# KiCad board model-b.kicad_pcb (continued)
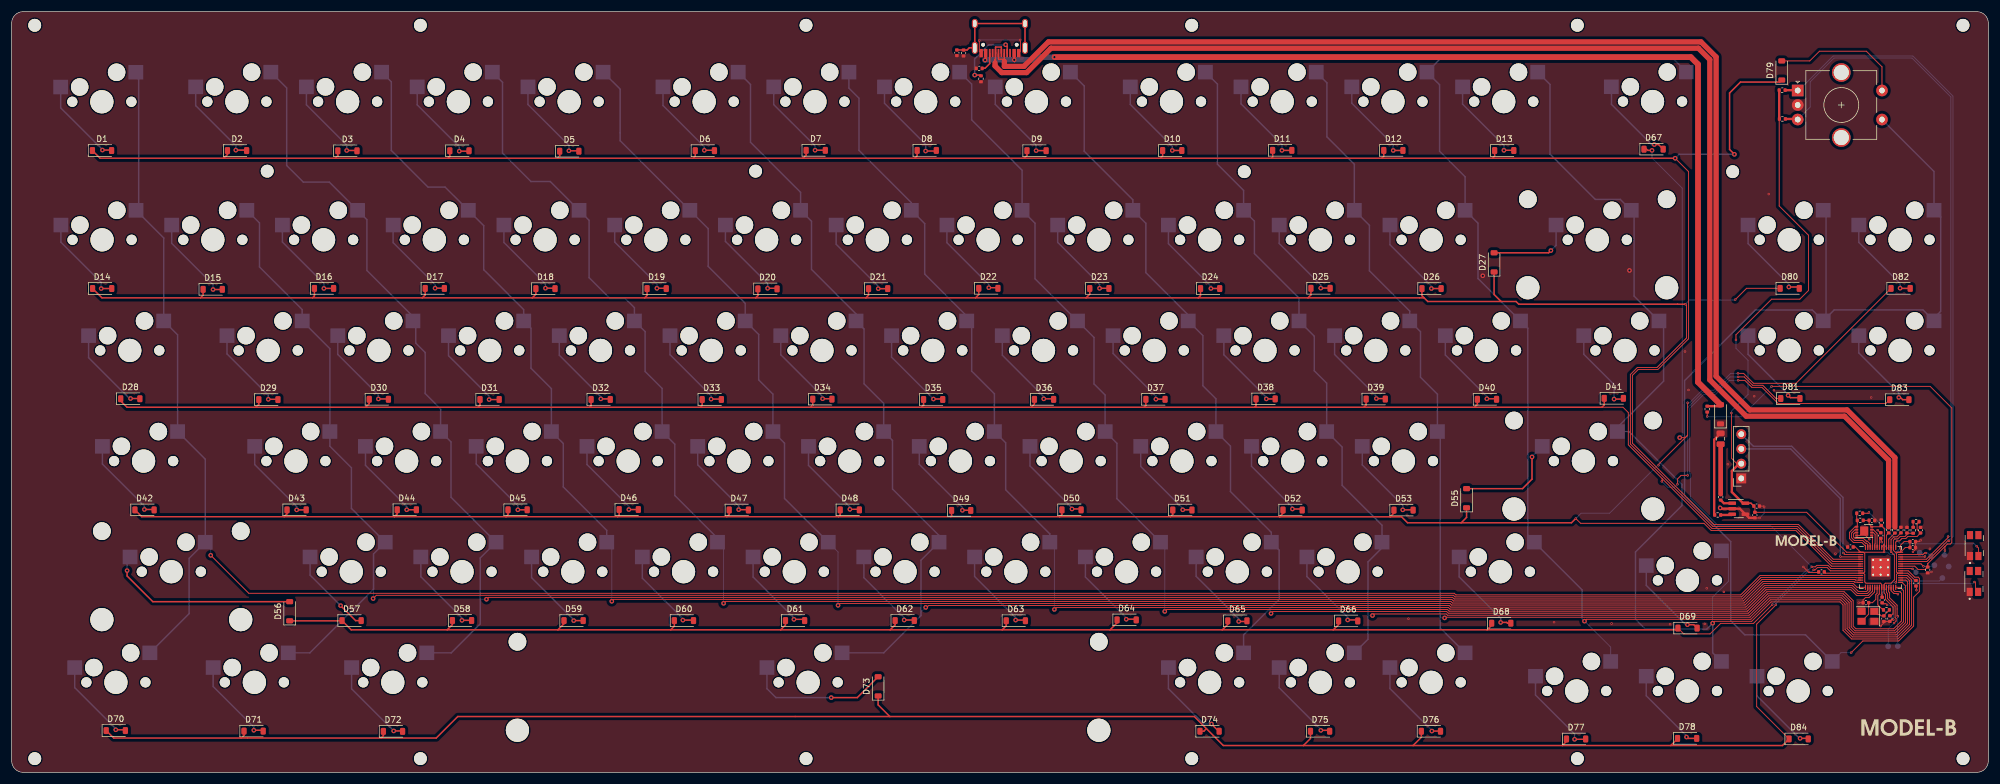
[diagram p0: board, top side]
## Nets (continued)
Net-(D71-A): D71.2 SW71.1
Net-(D72-A): D72.2 SW72.1
Net-(D73-A): D73.2 SW73.1
Net-(D74-A): D74.2 SW74.1
Net-(D75-A): D75.2 SW75.1
Net-(D76-A): D76.2 SW76.1
Net-(D77-A): D77.2 SW77.1
Net-(D78-A): D78.2 SW78.1
Net-(D80-A): D80.2 SW80.1
Net-(D81-A): D81.2 SW81.1
Net-(D82-A): D82.2 SW82.1
Net-(D83-A): D83.2 SW83.1
Net-(D84-A): D84.2 SW84.1
Net-(F1-Pad2): F1.2 FB1.2
Net-(U2-IN): FB1.1 U2.1
Net-(U3-ADC_AVDD): C11.1 R14.2 U3.43
Net-(U3-GPIO23): TP1.1 U3.35
Net-(U3-GPIO25): TP2.1 U3.37
Net-(U3-GPIO28_ADC2): TP3.1 U3.40
Net-(U3-GPIO29_ADC3): TP4.1 U3.41
Net-(U3-SWCLK): TP5.1 U3.24
Net-(U3-SWD): TP6.1 U3.25
Net-(U3-USB_DM): R16.1 U3.46
Net-(U3-USB_DP): R15.1 U3.47
Net-(USB1-CC1): R9.1 USB1.4
Net-(USB1-CC2): R10.1 USB1.10
Net-(USB1-SHIELD): C4.1 R6.2 USB1.13

Pads without a net: ROTARY1 MP; S1 1_2 2_2; S2 1_2 2_2; USB1 3 9

## Via types
v1: diameter 0.4, hole 0.2, Top to Bottom, 72 vias
v2: diameter 0.8, hole 0.4, Top to Bottom, 108 vias

## Routing (per net, layer and track width the routed paths; a pad name or vN(x,y) marks a point on that pad's centre or on a via; arc(x,y) is an arc through that point)
3V3_EN: length 2
  Top w0.4: R11.2 295.81,44.33 U2.3
+1V1: length 22.2
  Top w0.15: C7.1 324.28,40.56 323.76,40.56 323.26,40.06 U3.45 323.27,38.74 v1(323.27,37.99) 323.84,37.41 323.84,33.15 323.27,32.58 322.28,32.58 322.06,32.37 U3.23 322.06,30.9 322.31,30.65 322.31,29.78 323.6,28.49 323.6,27.31 323.32,27.03 323.12,27.03 C8.1 ; U3.50 321.26,39.86 321.53,40.13 321.64,40.02 v1(321.64,39.65)
  Bottom w0.15: v1(321.64,39.65) 321.64,39.61 v1(323.27,37.99)
+3V3: length 182.2
  Top w0.15: 318.52,34.31 U3.10 311.99,34.31 C18.1 ; 318.52,34.31 318.74,34.09 318.74,32.8 318.95,32.58 321.45,32.58 321.66,32.37 U3.22 321.66,30.62 v1(321.69,30.59) 321.69,30.19 C10.1 ; 318.52,34.31 318.74,34.52 318.74,37.69 318.52,37.91 318.02,37.91 ; 318.02,37.91 321.99,37.91 v1(322.06,37.98) 322.06,38.31 322.06,38.31 U3.48 322.06,39.24 322.11,39.29 ; 318.02,37.91 315.61,37.91 308.73,44.79 C5.1 299.84,45.68 C6.1 ; 318.02,37.91 317.12,38.81 C14.1 ; C16.1 327.39,33.05 326.13,34.31 U3.33 324.4,34.31 ; R13.1 326.04,41.18 C17.1 326,40.96 325.66,40.63 324.85,40.63 324.42,40.21 323.9,40.21 323.66,39.97 U3.44 323.66,38.25 324,37.91 324.9,37.91 ; 322.11,39.29 322.11,41.95 321.58,42.48 C15.1 321.36,42.3 U1.8 319.48,42.74 C1.2 319.48,43.4 R4.2 ; 322.11,39.29 321.66,38.84 U3.49 ; 324.4,34.31 324.19,34.52 324.19,37.69 324.4,37.91 324.9,37.91 ; 324.4,34.31 324.19,34.09 324.19,32.83 v1(324.06,32.71) ; v1(296.58,74.47) 296.58,75.35 302.72,81.49 307.57,81.49 309.05,82.97 309.05,92.5 304.02,97.53 304.02,112.86 ; 324.9,37.91 325.71,38.72 C13.1 326.51,39.74 C12.1 325.52,39.74 324.9,39.12 324.9,37.91 ; v1(295.81,61.88) 295.81,54.09 296.74,53.16 OLED1.2
  Top w0.25: U2.5 299.16,46.35 C6.1
  Top w0.4: U2.5 297.8,46.35 295.88,48.27 295.88,51.91 297.14,53.16 OLED1.2 ; R2.2 304.02,112.56 R1.2
  Bottom w0.15: v1(322.06,37.98) 322.15,37.89 322.69,37.89 323.07,37.51 323.74,37.51 v1(324.88,38.65) ; v1(321.69,30.59) 321.69,30.94 323.46,32.71 v1(324.06,32.71) 324.44,32.71 324.69,32.96 331.58,32.96 TP9.1 ; v1(296.58,74.47) 296.58,73.03 298.66,70.96 298.66,65.07 295.81,62.21 v1(295.81,61.88)
GND: length 45
  Top w0.15: v1(308.17,35.38) 309.15,34.4 310.7,34.4 C18.2 ; v1(327.03,37.98) 327.47,38.43 C13.2 327.47,39.74 C12.2 328.13,39.74 v1(328.37,39.98) ; v1(322.57,28.85) 322.37,29.05 321.94,29.05 ; v1(166.42,126.03) 166.44,126.01 166.44,124.17 USB1.12 ; v1(173.47,126.13) 173.52,126.07 173.52,124.17 USB1.1 ; 321.53,41.09 321.53,41.15 v1(320.95,41.72) ; v1(319.52,40.16) 318.64,41.03 U1.9 317.89,40.8 U1.4 ; v1(301.44,45.72) 301.31,45.86 C6.2 ; v1(317.7,29.22) C2.1 318.45,29.7 318.86,30.11 319.48,30.11 320.44,31.06 320.44,31.86 320.44,31.87 U3.19 ; v1(327.62,31.38) 327.62,32.01 C16.2 ; v1(323.65,26.3) 323.35,26.3 323.04,25.99 C3.2 322.02,25.75 v1(321.47,25.2) ; v1(300.66,43.81) 299.86,43.81 C5.2
  Top w0.4: v2(293.87,45.54) 294,45.4 U2.2 297.26,45.4 U2.4 298.83,43.83 C5.2
  Bottom w0.15: 173.53,126.07 v1(173.47,126.13) 166.51,126.13 v1(166.42,126.03) ; v1(301.44,45.72) 301.44,44.59 v1(300.66,43.81) ; v1(322.57,28.85) 322.65,28.77 323.21,28.77 323.65,28.33 v1(323.65,26.3) 323.71,26.35
  vias: v1(240.26,26.46) v1(265.3,25.87) v1(275.19,25.63) v1(285.25,25.53) v1(287.82,72.46) v1(288.43,65.85) v1(291.22,25.57) v1(291.55,31.7) v1(294.5,31.08) v1(295.19,53.06) v1(299.73,64.78) v1(302.22,99.58) v1(303.11,65.81) v1(313.69,37.66) v1(319.84,64.56) v1(329.94,38.51) v1(330.21,34.51) v2(253.04,85.52) v2(278.27,86.43)
VBUS: length 188.6
  Top w0.4: USB1.11 167.53,122.66 ; 294.11,63.14 D54.2 293.68,63.07 R8.2 ; 172.47,123.99 172.45,124.01 ; v2(172.45,122.7) 172.45,123.83 ; 167.55,122.82 167.55,122.82
  Top w1: v2(179.36,123.16) 288.82,123.16 290.06,121.92 290.06,67.19 D54.2
  Bottom w0.4: 172.43,122.82 172.47,122.86 ; v2(167.44,122.66) 167.44,122.66
  Bottom w1: v2(167.44,122.66) 167.47,122.7 v2(172.45,122.7) 175.97,122.7 176.44,123.16 v2(179.36,123.16)
/ADC_VREF: length 1
  Top w0.15: R14.1 327.07,43.16 R13.2
/col0: length 399.9
  Top w0.15: U3.11 300.75,33.91 297.4,30.56 248.41,30.56 248.13,30.84 40.79,30.84 v2(34.24,37.39)
  Bottom w0.15: SW56.2 34.24,38.7 v2(34.24,37.39)
  Bottom w0.25: SW70.2 30.53,27.34 30.53,36.87 SW56.2 33.31,53.92 SW42.2 28.54,75.36 SW28.2 26.16,92.02 SW14.2 21.85,97.24 21.85,120.07 SW1.2
/col1: length 354.5
  Top w0.15: v2(62.17,29.94) 62.73,30.49 247.99,30.49 248.27,30.21 297.55,30.21 300.89,33.56 317.21,33.56 317.26,33.51 U3.12
  Bottom w0.15: v2(62.17,29.94) 62.25,30.01 62.25,31.64
  Bottom w0.25: SW71.2 51.3,20.59 62.25,31.54 62.25,37.63 SW57.2 58.45,45.45 58.45,52.45 54.74,56.16 SW43.2 54.74,72.98 SW29.2 49.97,79.69 42.63,87.04 42.63,94.6 SW15.2
/col2: length 365.2
  Top w0.15: U3.13 317.17,33.11 317.06,33.21 301.04,33.21 297.69,29.86 248.12,29.86 247.84,30.14 82,30.14 v2(81.67,29.82)
  Bottom w0.15: v2(81.67,29.82) 80.66,29.82 80.6,29.87
  Bottom w0.25: SW72.2 75.62,20.59 80.6,25.56 80.6,36.93 SW58.2 75.57,47.37 75.57,56.9 SW44.2 73.79,62.58 71.13,65.23 71.13,72.3 69.51,73.92 69.51,77.25 SW30.2 69.02,78.51 61.11,86.43 61.11,95.18 SW16.2 54.65,101.64 50.17,101.64 47.31,104.5 47.31,117.86 SW2.2
/col3: length 325.7
  Top w0.15: U3.14 317.53,32.71 317.48,32.76 317.02,32.76 316.92,32.86 301.18,32.86 297.84,29.51 247.98,29.51 247.7,29.79 103.55,29.79 v2(103.23,29.47)
  Bottom w0.15: SW59.2 103.23,38.77 v2(103.23,29.47)
  Bottom w0.25: SW3.2 65.31,118.91 65.31,107.09 71.62,100.78 74.55,100.78 SW17.2 81.21,94.13 81.21,86.55 88.07,79.68 SW31.2 89.33,76.48 89.33,69.59 92.84,66.08 SW45.2 94.88,56.64 94.88,49.15 102.36,41.67 SW59.2
/col4: length 309.7
  Top w0.15: U3.15 317.41,31.87 316.77,32.51 301.33,32.51 297.98,29.16 247.83,29.16 247.55,29.44 122.78,29.44 v2(122.45,29.12)
  Bottom w0.15: v2(122.45,29.12) 122.45,38.59 SW60.2
  Bottom w0.25: SW4.2 84.44,118.83 84.44,106.64 89.33,101.74 92.65,101.74 SW18.2 99.33,95.06 99.33,85.19 102.91,81.6 105.53,81.6 107.12,80.01 SW32.2 108.97,75.9 108.97,69.03 111.89,66.11 SW46.2 114.06,56.51 114.06,47.68 121.41,40.34 SW60.2
/col5: length 288.3
  Top w0.15: v2(142.14,28.77) 142.47,29.09 247.41,29.09 247.69,28.81 298.13,28.81 301.47,32.16 316.63,32.16 317.63,31.16 319.05,31.16 319.26,31.37 U3.16
  Bottom w0.15: v2(142.14,28.77) 142.14,37.96 SW61.2
  Bottom w0.25: SW61.2 132.94,47.16 132.94,56.68 SW47.2 130.94,65.14 128.49,67.59 128.49,75.42 SW33.2 126.17,80.76 119.81,87.12 119.81,93.63 SW19.2 104.67,108.77 104.67,110.11 104.67,110.11 104.67,117.65 SW5.2
/col6: length 292.4
  Top w0.15: U3.17 319.66,31.28 319.19,30.81 317.49,30.81 316.48,31.81 301.62,31.81 298.27,28.46 247.54,28.46 247.26,28.74 157.75,28.74 157.42,28.42 v2(157.23,28.42)
  Bottom w0.15: 156.41,26.99 156.41,27.6 v2(157.23,28.42)
  Bottom w0.25: 124.96,120.58 127.08,118.46 127.08,108.51 135.7,99.89 SW20.2 137.58,94.9 137.58,86.6 145.22,78.96 SW34.2 146.62,76.35 146.62,66.92 149.99,63.55 SW48.2 151.51,57.16 151.51,48.8 159.51,40.8 SW62.2 156.41,36.53 156.41,26.99 150,20.59 SW73.2
/col7: length 250.9
  Top w0.15: U3.18 320.06,31.18 319.34,30.46 317.34,30.46 316.34,31.46 301.76,31.46 298.42,28.11 247.4,28.11 247.12,28.39 179.68,28.39 v2(179.35,28.07)
  Bottom w0.15: SW63.2 179.35,38.85 v2(179.35,28.07)
  Bottom w0.25: SW7.2 144.01,117.83 145.74,116.09 145.74,107.11 154.75,98.1 SW21.2 157.05,94.49 157.05,85.81 164.27,78.58 SW35.2 165.12,76.89 165.12,69.1 169.04,65.19 SW49.2 170.98,56.75 170.98,48.66 178.56,41.08 SW63.2
/col8: length 248.5
  Top w0.15: v2(198.34,27.72) 198.66,28.04 246.97,28.04 247.25,27.76 298.56,27.76 301.91,31.11 315.2,31.11 316.75,29.56 316.75,25.19 317.21,24.73 323.7,24.73 325.04,26.07 325.04,30.87 324.75,31.16 323.88,31.16 323.66,31.37 U3.27
  Bottom w0.15: v2(198.34,27.72) 198.34,38.91 SW64.2
  Bottom w0.25: 163.06,120.58 165.12,118.52 165.12,112.36 173.8,103.68 SW22.2 176.02,94.56 176.02,85 183.29,77.74 SW36.2 186.17,74.89 186.17,66.88 188.09,64.97 SW50.2 190.11,56.67 190.11,47.14 SW64.2
/col9: length 241.4
  Top w0.15: v2(216.62,27.37) 216.94,27.69 246.83,27.69 247.11,27.41 298.71,27.41 302.05,30.76 315.05,30.76 316.4,29.42 316.4,25.05 317.07,24.38 323.84,24.38 325.39,25.93 325.39,31.31 324.83,31.87 U3.28
  Bottom w0.15: 216.27,28.04 216.62,27.7 v2(216.62,27.37)
  Bottom w0.25: SW9.2 184.48,118.21 184.48,106.96 192.85,98.59 SW23.2 195.08,94.56 195.08,86.06 202.37,78.77 SW37.2 204.89,75.22 204.89,66.58 207.14,64.34 SW51.2 209.64,56.18 209.64,48.36 216.66,41.34 SW65.2 218.02,38.28 218.02,29.79 211.9,23.67 SW74.2
/col10: length 222
  Top w0.15: U3.29 325.16,32.71 325.75,32.12 325.75,25.78 323.99,24.03 316.92,24.03 316.05,24.9 316.05,29.27 314.91,30.41 302.2,30.41 298.85,27.06 246.96,27.06 246.75,27.28 234.33,27.28 v2(234.07,27.02)
  Bottom w0.15: v2(234.07,27.02) 233.41,27.02 233.29,26.9
  Bottom w0.25: SW10.2 207.4,118.52 207.4,104.72 211.9,100.22 SW24.2 213.76,94.93 213.76,89.35 221.42,81.68 SW38.2 224.05,75.11 224.05,69.16 226.19,67.02 SW52.2 228.85,56.03 228.85,49.42 235.71,42.56 SW66.2 235.71,38.67 233.29,36.25 233.29,22.93 SW75.2
/col11: length 207
  Top w0.15: v2(246.47,26.6) 246.58,26.71 299,26.71 302.34,30.06 314.76,30.06 315.7,29.13 315.7,24.76 316.78,23.68 324.13,23.68 326.09,25.64 326.09,32.81 325.8,33.11 U3.30
  Bottom w0.15: v2(246.47,26.6) 245.99,26.6 245.72,26.86
  Bottom w0.25: SW76.2 245.72,24.86 245.72,58.2 SW53.2 245.24,65.13 242.32,68.05 242.32,75.89 SW39.2 240.47,79.43 233.54,86.37 233.54,94.2 SW25.2 230.95,104.71 226.22,109.43 226.22,118.74 SW11.2
/col12: length 234.5
  Top w0.15: U3.31 325.94,33.51 326.44,33.01 326.44,25.49 324.28,23.33 316.63,23.33 315.35,24.61 315.35,28.98 314.62,29.71 302.49,29.71 299.14,26.36 270.86,26.36 v2(270.54,26.04)
  Bottom w0.15: SW77.2 275.03,21.58 270.12,26.49 270.54,26.07 v2(270.54,26.04)
  Bottom w0.25: 270.12,26.49 270.12,31.43 SW68.2 260.78,40.76 260.78,76.48 SW40.2 252.22,85.05 252.22,94.57 SW26.2 250,102.56 245.6,106.96 245.6,118.41 SW12.2 245.63,122.78 285.9,122.78 SW54.2
/col13: length 205.7
  Top w0.15: v2(292.58,25.69) 292.9,26.01 299.29,26.01 302.63,29.36 314.47,29.36 315,28.84 315,24.47 316.49,22.98 324.42,22.98 326.79,25.35 326.79,33.15 326.04,33.91 U3.32
  Bottom w0.15: SW69.2 295.28,36.95 295.28,32.9 292.58,30.19 v2(292.58,25.69)
  Bottom w0.25: SW13.2 264.61,118.46 264.61,106.46 272.4,98.66 276.7,98.66 SW27.2 279.06,96.3 279.06,82.01 SW41.2 284.14,76.93 284.14,67.36 276.19,59.41 SW55.2 278.19,58.69 287.3,49.58 287.3,45.95 279.3,37.95 279.3,26.38 281.02,24.66 291.55,24.66 v2(292.58,25.69) 292.58,20.6 SW78.2
/col14: length 203
  Top w0.15: v1(316.4,20.62) 318.41,22.62 324.57,22.62 327.14,25.2 327.14,30.17 328.13,31.15 328.13,33.41 327.92,33.62 327.32,33.62 326.23,34.71 U3.34
  Bottom w0.15: SW84.2 314.65,20.62 v1(316.4,20.62)
  Bottom w0.25: ROTARY1.S1 330.64,103.48 SW82.2 331.79,95.65 331.79,79.39 330.64,78.24 SW83.2 328.75,79.64 313.49,79.64 SW81.2 ; SW81.2 312.08,78.23 312.08,96.31 SW80.2 ; SW81.2 309.72,79.62 299.91,79.62 287.75,67.46 287.75,47.66 295.68,39.72 295.68,26.11 298.09,23.7 308.53,23.7 SW84.2
/GPIO24: length 83
  Top w0.15: v1(332.53,38.19) 332.53,38.9 332.55,38.92 ; v1(302.72,66.47) 329.98,66.47 333.71,62.74 333.71,39.58 333.44,39.31 332.93,39.31 332.55,38.92 ; U3.36 327.34,35.51 327.91,34.95 329.14,34.95 R7.2 329.56,35.93 329.58,35.96 ; 329.58,35.96 329.58,35.46 ; 329.58,35.96 332.55,38.92 ; R8.1 291.64,62.04 v1(291.64,61.29)
  Bottom w0.15: v1(291.64,61.29) 291.69,61.24 297.5,61.24 302.72,66.46 v1(302.72,66.47) ; TP7.1 332.53,37.51 v1(332.53,38.19)
/QSPI_SCLK: length 3
  Top w0.15: U1.6 320.21,41.3 320.51,40.99 320.51,39.35 320.46,39.3 U3.52
/QSPI_SD0: length 2.1
  Top w0.15: U3.53 320.06,40.66 U1.5
/QSPI_SD1: length 5.7
  Top w0.15: U3.55 319.26,39.24 319.05,39.46 318.86,39.46 318.39,39.93 316.94,39.93 316.46,40.41 316.46,41.19 317.07,41.8 U1.2
/QSPI_SD2: length 5.1
  Top w0.15: U3.54 319.66,39.34 319.19,39.81 319.01,39.81 318.53,40.28 317.09,40.28 316.81,40.56 316.81,41.04 317.07,41.3 U1.3
/QSPI_SD3: length 3.6
  Top w0.15: U3.51 320.86,41.14 320.21,41.8 U1.7
/QSPI_SS: length 8.6
  Top w0.15: R3.2 317.36,43.49 317.46,43.4 317.46,42.4 U1.1 317.07,42.3 316.12,41.34 316.11,40.27 316.8,39.58 318.25,39.58 318.86,38.97 U3.56
/RES: length 23.1
  Top w0.15: D79.2 309.28,122.51 310.95,124.18 319.01,124.18 321.7,121.49 ROTARY1.S2
/RESCLK: length 121.3
  Top w0.15: U3.38 329.44,36.31 333,39.87 v1(333.24,39.87)
  Top w0.4: R1.1 307.14,117.48 ROTARY1.A
  Bottom w0.15: ROTARY1.A 307.37,117.42 313.3,123.35 327.01,123.35 333.9,116.46 333.9,40.6 333.45,40.14 333.02,40.14 333.24,39.93 v1(333.24,39.87)
/RESDATA: length 124.2
  Top w0.15: v1(333.06,40.62) 333.06,40.43 329.34,36.71 U3.39
  Top w0.4: ROTARY1.B 307.1,112.52 R2.1
  Bottom w0.15: v1(333.06,40.62) 333.43,40.62 333.55,40.74 333.55,116.31 326.86,123 313.45,123 309.36,118.92 309.36,114.58 ROTARY1.B
/row0: length 425.3
  Top w0.15: v2(286.13,105.75) 288.44,103.44 288.44,74.66 283.13,69.36 279.76,69.36 278.77,68.37 278.77,56.69 292.76,42.7 307.32,42.7 313.31,36.71 U3.4
  Top w0.25: 93.88,105.75 117.25,105.75 ; 93.88,105.75 94.27,106.14 D5.1 ; 93.88,105.75 75.1,105.75 ; 117.25,105.75 117.58,106.09 D6.1 ; 117.25,105.75 136.12,105.75 ; 36.48,105.75 15.22,105.75 D1.1 ; 36.48,105.75 55.67,105.75 ; 36.48,105.75 37.12,106.4 D2.1 ; 255.08,107.08 255.08,106.09 254.74,105.75 ; D10.1 197.97,106.13 197.6,105.75 ; 55.67,105.75 75.1,105.75 ; 55.67,105.75 56.1,106.19 D3.1 ; 75.1,105.75 75.37,106.03 75.37,107.04 ; 254.74,105.75 235.67,105.75 ; 254.74,105.75 v2(286.13,105.75) ; D7.1 136.65,106.29 136.12,105.75 ; 235.67,105.75 236.01,106.09 D12.1 ; 235.67,105.75 216.69,105.75 ; D11.1 216.89,105.96 216.69,105.75 ; 136.12,105.75 155.33,105.75 ; 174.16,105.75 197.6,105.75 ; 174.16,105.75 174.64,106.23 D9.1 ; 174.16,105.75 155.33,105.75 ; 197.6,105.75 216.69,105.75 ; v2(296.32,106.43) 295.48,107.26 295.48,116.99 297.37,118.87 304.12,118.87 D79.1 ; D8.1 155.75,106.17 155.33,105.75
  Bottom w0.25: v2(296.32,106.43) 296.31,106.43 286.81,106.43 v2(286.13,105.75)
/row1: length 397.7
  Top w0.15: v1(287.89,80.61) 288.09,80.41 288.09,74.81 282.99,69.71 279.62,69.71 278.42,68.52 278.42,56.55 292.62,42.35 307.18,42.35 313.22,36.31 U3.5 ; 304.26,83.33 304.23,83.36 298.41,83.36 v1(296.46,81.41)
  Top w0.25: 32.48,81.72 32.94,82.17 D15.1 ; 32.48,81.72 51.75,81.72 ; 32.48,81.72 15.52,81.72 D14.1 ; 127.97,81.72 108.88,81.72 ; 127.97,81.72 146.93,81.72 ; 127.97,81.72 128.36,82.1 D20.1 ; 108.88,81.72 109.3,82.14 D19.1 ; 108.88,81.72 89.56,81.72 ; 51.75,81.72 70.64,81.72 ; 51.75,81.72 52.08,82.04 D16.1 ; 256.19,81.08 254.99,82.29 D27.1 ; 256.19,81.08 243.58,81.08 242.94,81.72 ; 256.19,81.08 258.76,81.08 259.23,80.62 286.54,80.62 286.55,80.61 v1(287.89,80.61) ; 242.94,81.72 222.96,81.72 ; 242.94,81.72 242.57,82.09 D26.1 ; 89.56,81.72 70.64,81.72 ; 89.56,81.72 90.16,82.32 D18.1 ; 70.64,81.72 71.13,82.21 D17.1 ; 184.81,81.72 165.78,81.72 ; 184.81,81.72 185.44,82.35 D23.1 ; 184.81,81.72 204.11,81.72 ; 165.78,81.72 166.35,82.28 D22.1 ; 165.78,81.72 146.93,81.72 ; D21.1 147.38,82.17 146.93,81.72 ; 204.11,81.72 204.49,82.1 D24.1 ; 204.11,81.72 222.96,81.72 ; 222.96,81.72 223.48,82.23 D25.1
  Bottom w0.15: v1(296.46,81.41) 296.38,81.33 288.61,81.33 v1(287.89,80.61)
/row2: length 372.6
  Top w0.15: 318.02,35.91 313.12,35.91 307.03,42 292.47,42 283.89,50.58 ; v1(286.52,49.61) 286.52,50.52 287.15,51.14 v1(288.27,51.14) ; 283.89,50.58 278.07,56.4 278.07,61.96 277.16,62.87 273.53,62.87 ; 283.89,50.58 283.89,50.17 v1(283.83,50.11) ; D81.1 303.47,64.38 301.2,66.65 299.46,66.65 298,68.1 v1(296.95,68.1)
  Top w0.25: 137.41,62.87 118.46,62.87 ; 137.41,62.87 137.79,63.25 D34.1 ; 137.41,62.87 156.48,62.87 ; 118.46,62.87 99.42,62.87 ; 118.46,62.87 118.77,63.19 D33.1 ; 80.25,62.87 60.89,62.87 ; 80.25,62.87 80.56,63.19 D31.1 ; 80.25,62.87 99.42,62.87 ; 60.89,62.87 42,62.87 ; 60.89,62.87 61.51,63.49 D30.1 ; 42,62.87 19.84,62.87 18.76,63.96 D28.1 ; 42,62.87 42.51,63.38 D29.1 ; D37.1 195.09,63.17 194.79,62.87 ; 99.42,62.87 99.67,63.12 D32.1 ; 251.62,62.87 252.11,63.36 D40.1 ; 251.62,62.87 273.53,62.87 273.93,63.27 273.93,64.26 ; 251.62,62.87 232.59,62.87 ; D36.1 175.92,63.42 175.38,62.87 ; 194.79,62.87 175.38,62.87 ; 194.79,62.87 213.8,62.87 ; 175.38,62.87 156.48,62.87 ; D35.1 156.85,63.25 156.48,62.87 ; D39.1 232.97,63.26 232.59,62.87 ; 213.8,62.87 214.03,63.1 D38.1 ; 213.8,62.87 232.59,62.87
  Bottom w0.15: v1(296.95,68.1) 295.58,68.1 292.91,65.44 290.89,65.44 288.27,62.82 v1(288.27,51.14) ; v1(286.52,49.61) 286.02,49.11 284.84,49.11 v1(283.83,50.11)
/row3: length 449.3
  Top w0.15: v1(296.94,68.7) 297.9,68.7 299.6,67 306.92,67 323.28,83.36 ; v1(288.27,63.65) 288.27,58.05 288.24,58.02 ; U3.7 313.03,35.51 306.89,41.65 292.33,41.65 291.09,42.89 269.87,42.89 269.03,43.72 v1(269.03,43.72) 269.03,43.74 ; 288.24,58.02 287.86,57.64 v2(286.91,57.64) ; 288.24,58.02 283.25,53.03 v1(283.25,52.88)
  Top w0.25: 104.23,44.03 104.49,44.29 D46.1 ; 104.23,44.03 85.03,44.03 ; 104.23,44.03 123.01,44.03 ; 46.86,44.03 47.36,44.53 D43.1 ; 46.86,44.03 22.38,44.03 D42.1 ; 46.86,44.03 65.83,44.03 ; 218.09,44.03 218.1,44.01 237.11,44.01 ; 218.09,44.03 199.33,44.03 ; 218.09,44.03 218.67,44.62 D52.1 ; 199.33,44.03 180.27,44.03 ; 199.33,44.03 199.72,44.41 D51.1 ; D48.1 142.51,44.33 142.21,44.03 ; 85.03,44.03 65.83,44.03 ; 85.03,44.03 85.38,44.37 D45.1 ; 180.27,44.03 161.54,44.03 ; 180.27,44.03 180.65,44.41 D50.1 ; 161.54,44.03 142.21,44.03 ; 161.54,44.03 161.67,44.16 D49.1 ; 249.33,42.98 250.25,43.9 D55.1 ; 249.33,42.98 240.1,42.98 239.07,44.01 237.11,44.01 ; 249.33,42.98 268.29,42.98 v1(269.03,43.72) ; 142.21,44.03 123.01,44.03 ; 237.11,44.01 237.76,44.67 D53.1 ; 65.83,44.03 66.32,44.52 D44.1 ; 123.01,44.03 123.43,44.44 D47.1 ; v2(282.14,107.1) 281.42,107.1 280.91,107.61
  Bottom w0.15: v1(269.03,43.72) 269.93,44.62 274.84,44.62 283.1,52.88 v1(283.25,52.88) ; v2(286.91,57.64) 287.35,58.08 287.35,100.6 282.14,105.81 v2(282.14,107.1) ; v1(296.94,68.7) 295.68,68.7 292.77,65.79 290.74,65.79 288.6,63.65 v1(288.27,63.65)
/row4: length 375.8
  Top w0.15: v1(296.97,67.51) 298.11,67.51 299.31,66.3 301.06,66.3 303.85,63.51 322.36,63.51 D83.1 ; v1(309.63,35.39) 310.23,35.39 310.48,35.64 312.4,35.64 312.93,35.11 U3.8 ; v1(302.83,28.88) 299.61,25.66 293.95,25.66 292.13,23.85 287.61,23.85 286.36,25.09
  Top w0.25: 151.11,24.55 170.37,24.55 ; 151.11,24.55 132.27,24.55 ; 151.11,24.55 151.96,25.4 D62.1 ; 170.37,24.55 188.93,24.55 ; 170.37,24.55 171.07,25.25 D63.1 ; 188.93,24.55 190.13,25.76 D64.1 ; 188.93,24.55 208.24,24.55 ; 74.92,24.55 58.41,24.55 56.82,26.14 ; 74.92,24.55 93.95,24.55 ; 74.92,24.55 75.81,25.45 D58.1 ; D65.1 209.18,25.49 208.24,24.55 ; 227.33,24.55 253.78,24.55 ; 227.33,24.55 228.23,25.45 D66.1 ; 227.33,24.55 208.24,24.55 ; 253.78,24.55 254.56,25.33 D68.1 ; 253.78,24.55 286.31,24.55 D69.1 ; 113.36,24.55 132.27,24.55 ; 113.36,24.55 93.95,24.55 ; 113.36,24.55 113.99,25.18 D60.1 ; 132.27,24.55 133.1,25.38 D61.1 ; 93.95,24.55 95.01,25.61 D59.1 ; 56.82,26.14 56.78,26.1 D56.1 ; 56.82,26.14 56.7,26.02
  Bottom w0.15: 302.77,28.88 308.78,34.89 309.13,34.89 v1(309.63,35.39) 302.47,42.56 293.41,42.56 288.75,47.23 288.75,51.34 288.62,51.46 288.62,62.68 291.03,65.09 293.06,65.09 295.47,67.51 v1(296.97,67.51)
/row5: length 355.9
  Top w0.15: v1(309.94,34.88) 310.21,34.88 310.63,35.29 312.25,35.29 312.84,34.71 U3.9 ; v1(303.44,28.88) 303.44,28.82 300.15,25.53 300.15,11.33 305.61,5.87
  Top w0.25: 39.49,5.92 39.97,6.4 D71.1 ; 39.49,5.92 63.54,5.92 ; 39.49,5.92 17.55,5.92 D70.1 ; 63.54,5.92 73.03,5.92 76.74,9.62 151.05,9.62 ; 63.54,5.92 63.94,6.32 D72.1 ; 151.05,9.62 149.04,11.63 D73.1 ; 151.05,9.62 203.41,9.62 205.5,7.53 ; 205.5,7.53 205.05,7.08 D74.1 ; 205.5,7.53 208.41,4.63 222.19,4.63 ; D78.1 286.53,5.79 285.38,4.63 ; 222.19,4.63 223.4,5.84 D75.1 ; 222.19,4.63 241.05,4.63 ; 241.05,4.63 266.71,4.63 ; 241.05,4.63 242.47,6.04 D76.1 ; 266.71,4.63 267.43,5.35 D77.1 ; 266.71,4.63 285.38,4.63 ; 285.38,4.63 304.59,4.63 305.83,5.87
  Bottom w0.15: v1(309.94,34.88) 309.6,34.54 308.92,34.54 303.45,29.07 303.45,28.89 v1(303.44,28.88)
/RUN: length 18
  Top w0.15: 337.77,31.03 337.77,32.62 v1(337.61,32.78) ; U3.26 323.26,31.28 323.73,30.81 324.31,30.81 v1(324.44,30.68)
  Bottom w0.15: v1(324.44,30.68) 326.25,32.5 337.33,32.5 v1(337.61,32.78) 337.51,32.88
/SCL: length 34.1
  Top w0.15: U3.3 314.61,37.11 v1(314.54,37.18)
  Bottom w0.25: v1(314.54,37.18) 314.54,47.15 305.99,55.7 OLED1.3
/SDA: length 34.7
  Top w0.15: U3.2 318.02,37.52 318.01,37.53 315.31,37.53 v1(315.08,37.76)
  Bottom w0.25: OLED1.4 299.59,56.15 306.18,56.15 314.99,47.34 314.99,37.85 v1(315.08,37.76)
/USB_BOOT: length 24
  Top w0.15: v1(337.98,38.95) 338.29,38.64 S1.2_1 ; R3.1 319.32,44.62 v1(319.45,44.75)
  Bottom w0.15: 319.52,44.83 v1(319.45,44.75) 324.83,39.37 337.56,39.37 v1(337.98,38.95)
/USB_DN: length 232.6
  Top w0.25: 170.73,122.83 USB1.5 ; 169.76,122.8 170.71,122.8 ; USB1.7 169.73,122.83
  Top w0.9: 170.75,122.48 170.75,121.58 174.12,121.58 178.33,125.78 290.57,125.78 293.17,123.19 293.17,68.21 298.97,62.41 315.7,62.41 323.92,54.2 R16.2
/USB_DP: length 234.4
  Top w0.25: 169.15,122.73 169.23,122.81 USB1.8 169.23,124.88 169.26,124.9 170.21,124.9 170.23,124.88 USB1.6
  Top w0.4: 169.15,122.73 169.15,122.2
  Top w0.9: 169.15,122.2 169.15,121.65 170.3,120.5 174.57,120.5 178.77,124.7 290.12,124.7 292.09,122.74 292.09,67.59 298.34,61.33 315.26,61.33 322.84,53.75 322.84,42.28
VSYS: length 14.6
  Top w0.4: 292.93,44.33 292.84,44.42 292.84,57.29 F1.1
XIN: length 7.3
  Top w0.15: U3.20 320.86,30.85 320.64,30.63 320.64,29.79 320.06,29.22 C2.2 319.41,27.24 Y1.3
XOUT: length 4.5
  Top w0.15: U3.21 321.24,31.87 321.24,31.87 321.24,30.73 320.99,30.48 320.99,28.85 321.85,27.98 R5.2
Net-(C3-Pad1): length 3.4
  Top w0.15: R5.1 322.98,27.97 322.02,27.02 C3.1 321.55,26.95 321.34,27.16 320.95,27.16 320.39,27.72
Net-(D1-A): length 15.4
  Top w0.25: v2(15.62,107.16) 17.04,107.16 17.12,107.08
  Bottom w0.25: SW1.1 8.43,114.43 15.62,107.24 v2(15.62,107.16)
Net-(D2-A): length 15.5
  Top w0.25: v2(38.56,107.15) 40.24,107.15 40.31,107.07
  Bottom w0.25: SW2.1 31.66,114.82 38.56,107.92 v2(38.56,107.15)
Net-(D3-A): length 15.5
  Top w0.25: v2(57.64,107.09) 59.28,107.09 59.34,107.03
  Bottom w0.25: v2(57.64,107.09) 57.64,108.02 50.71,114.95 SW3.1
Net-(D4-A): length 15.8
  Top w0.25: 78.69,107.04 78.62,106.97 v2(76.99,106.97)
  Bottom w0.25: v2(76.99,106.97) 76.99,107.71 69.76,114.95 SW4.1
Net-(D5-A): length 15.7
  Top w0.25: v2(95.85,107.04) 97.52,107.04 97.59,106.96
  Bottom w0.25: SW5.1 88.81,115 95.85,107.96 v2(95.85,107.04)
Net-(D6-A): length 15.6
  Top w0.25: v2(119.14,107.12) 120.77,107.12 120.83,107.06
  Bottom w0.25: v2(119.14,107.12) 119.14,107.73 112.03,114.83 SW6.1
Net-(D7-A): length 15.6
  Top w0.25: 139.89,107.11 139.86,107.13 v2(138.19,107.13)
  Bottom w0.25: v2(138.19,107.13) 138.19,107.88 131.08,114.99 SW7.1
Net-(D8-A): length 15.8
  Top w0.25: v2(157.2,106.99) 158.9,106.99 159,107.09
  Bottom w0.25: SW8.1 150.13,115.21 157.2,108.14 v2(157.2,106.99)
Net-(D9-A): length 15.5
  Top w0.25: v2(176.21,107.06) 177.79,107.06 177.79,107.06
  Bottom w0.25: v2(176.21,107.06) 176.21,108 169.18,115.03 SW9.1
Net-(D10-A): length 15.5
  Top w0.25: v2(199.63,107.09) 201.17,107.09 201.18,107.08
  Bottom w0.25: SW10.1 192.41,115.03 199.63,107.81 v2(199.63,107.09)
Net-(D11-A): length 15.5
  Top w0.25: 220.1,107.11 220.09,107.11 v2(218.49,107.11)
  Bottom w0.25: v2(218.49,107.11) 218.49,108.09 211.46,115.12 SW11.1
Net-(D12-A): length 15.3
  Top w0.25: 239.05,107.1 239.05,107.09 v2(237.64,107.09)
  Bottom w0.25: v2(237.64,107.09) 237.64,108.09 230.51,115.21 SW12.1
Net-(D13-A): length 15.3
  Top w0.25: 258.07,107.08 258.03,107.12 v2(256.67,107.12)
  Bottom w0.25: SW13.1 249.56,115.08 256.67,107.96 v2(256.67,107.12)
Net-(D14-A): length 15.5
  Top w0.25: v2(15.4,83.32) 17.1,83.32 17.11,83.32
  Bottom w0.25: SW14.1 8.47,91.3 15.4,84.37 v2(15.4,83.32)
Net-(D15-A): length 15.6
  Top w0.25: 36.17,83.18 36.14,83.15 v2(34.64,83.15)
  Bottom w0.25: v2(34.64,83.15) 34.64,83.98 27.52,91.1 SW15.1
Net-(D16-A): length 15.5
  Top w0.25: 55.36,83.34 55.36,83.34 v2(53.71,83.34)
  Bottom w0.25: SW16.1 46.57,91.33 53.71,84.19 v2(53.71,83.34)
Net-(D17-A): length 15.4
  Top w0.25: 74.39,83.34 74.35,83.38 v2(72.84,83.38)
  Bottom w0.25: SW17.1 65.62,91.22 72.84,84 v2(72.84,83.38)
Net-(D18-A): length 15.4
  Top w0.25: v2(91.82,83.38) 93.32,83.38 93.4,83.3
  Bottom w0.25: v2(91.82,83.38) 91.82,84.11 84.67,91.25 84.67,94.25
Net-(D19-A): length 15.4
  Top w0.25: v2(110.99,83.36) 112.43,83.36 112.48,83.31
  Bottom w0.25: SW19.1 103.72,91.33 110.99,84.07 v2(110.99,83.36)
Net-(D20-A): length 15.5
  Top w0.25: 131.56,83.26 131.46,83.36 v2(130.03,83.36)
  Bottom w0.25: SW20.1 122.77,91.43 130.03,84.17 v2(130.03,83.36)
Net-(D21-A): length 15.5
  Top w0.25: v2(149.06,83.29) 150.59,83.29 150.6,83.3
  Bottom w0.25: v2(149.06,83.29) 149.06,83.71 141.82,90.94 SW21.1
Net-(D22-A): length 15.3
  Top w0.25: v2(168.08,83.46) 169.48,83.46 169.59,83.35
  Bottom w0.25: SW22.1 160.87,91.21 168.08,84 v2(168.08,83.46)
Net-(D23-A): length 15.4
  Top w0.25: 188.61,83.33 188.58,83.36 v2(187.12,83.36)
  Bottom w0.25: v2(187.12,83.36) 187.12,84.06 179.92,91.26 179.92,94.25
Net-(D24-A): length 15.3
  Top w0.25: 207.63,83.32 207.61,83.33 v2(206.27,83.33)
  Bottom w0.25: SW24.1 198.97,91.03 206.27,83.73 v2(206.27,83.33)
Net-(D25-A): length 15.5
  Top w0.25: 226.79,83.35 226.75,83.39 v2(225.17,83.39)
  Bottom w0.25: 218.02,94.25 218.02,91.07 225.17,83.92 v2(225.17,83.39)
Net-(D26-A): length 15.5
  Top w0.25: v2(244.19,83.32) 245.83,83.32 245.84,83.31
  Bottom w0.25: v2(244.19,83.32) 244.19,83.74 237.07,90.86 SW26.1
Net-(D27-A): length 14.7
  Top w0.25: D27.2 264.37,89.47 v2(264.75,89.86)
  Bottom w0.25: v2(264.75,89.86) 265.65,90.75 SW27.1
Net-(D28-A): length 15.5
  Top w0.25: v2(20.46,64.38) 22.02,64.38 D28.2
  Bottom w0.25: SW28.1 13.23,71.4 20.26,64.38 v2(20.46,64.38)
Net-(D29-A): length 15.5
  Top w0.25: v2(44.14,64.24) 45.68,64.24 45.73,64.19
  Bottom w0.25: SW29.1 37.05,72.05 44.14,64.96 v2(44.14,64.24)
Net-(D30-A): length 15.5
  Top w0.25: v2(63.08,64.31) 64.74,64.31 64.81,64.24
  Bottom w0.25: v2(63.08,64.31) 63.08,64.98 56.1,71.97 SW30.1
Net-(D31-A): length 15.6
  Top w0.25: D31.2 83.85,64.2 v2(82.13,64.2)
  Bottom w0.25: v2(82.13,64.2) 82.13,64.77 75.15,71.75 SW31.1
Net-(D32-A): length 15.5
  Top w0.25: D32.2 102.87,64.32 v2(101.34,64.32)
  Bottom w0.25: SW32.1 94.2,71.83 101.34,64.69 v2(101.34,64.32)
Net-(D33-A): length 15.6
  Top w0.25: D33.2 122.01,64.28 v2(120.31,64.28)
  Bottom w0.25: v2(120.31,64.28) 120.31,64.86 113.25,71.92 SW33.1
Net-(D34-A): length 15.5
  Top w0.25: v2(139.49,64.34) 141.02,64.34 D34.2
  Bottom w0.25: v2(139.49,64.34) 139.49,64.71 132.3,71.91 SW34.1
Net-(D35-A): length 15.5
  Top w0.25: v2(158.55,64.29) 160.07,64.29 D35.2
  Bottom w0.25: SW35.1 151.35,71.5 158.55,64.3 v2(158.55,64.29)
Net-(D36-A): length 15.6
  Top w0.25: D36.2 179.13,64.32 v2(177.52,64.32)
  Bottom w0.25: v2(177.52,64.32) 177.52,64.71 170.4,71.84 SW36.1
Net-(D37-A): length 15.6
  Top w0.25: D37.2 198.36,64.27 v2(196.82,64.27)
  Bottom w0.25: v2(196.82,64.27) 196.82,64.76 189.45,72.13 SW37.1
